# Altium PCB bogo_board.PcbDoc (part 1 of 2)
Units mm, origin at the board's own origin, x right, y up, seen from the top; angles counter-clockwise.
Board outline 100 x 100 mm, 2 copper layers (Top Layer, Bottom Layer); 192 components, 142 nets, 497 pads, 187 vias.
Unrouted connection lines stored in the file: 41.
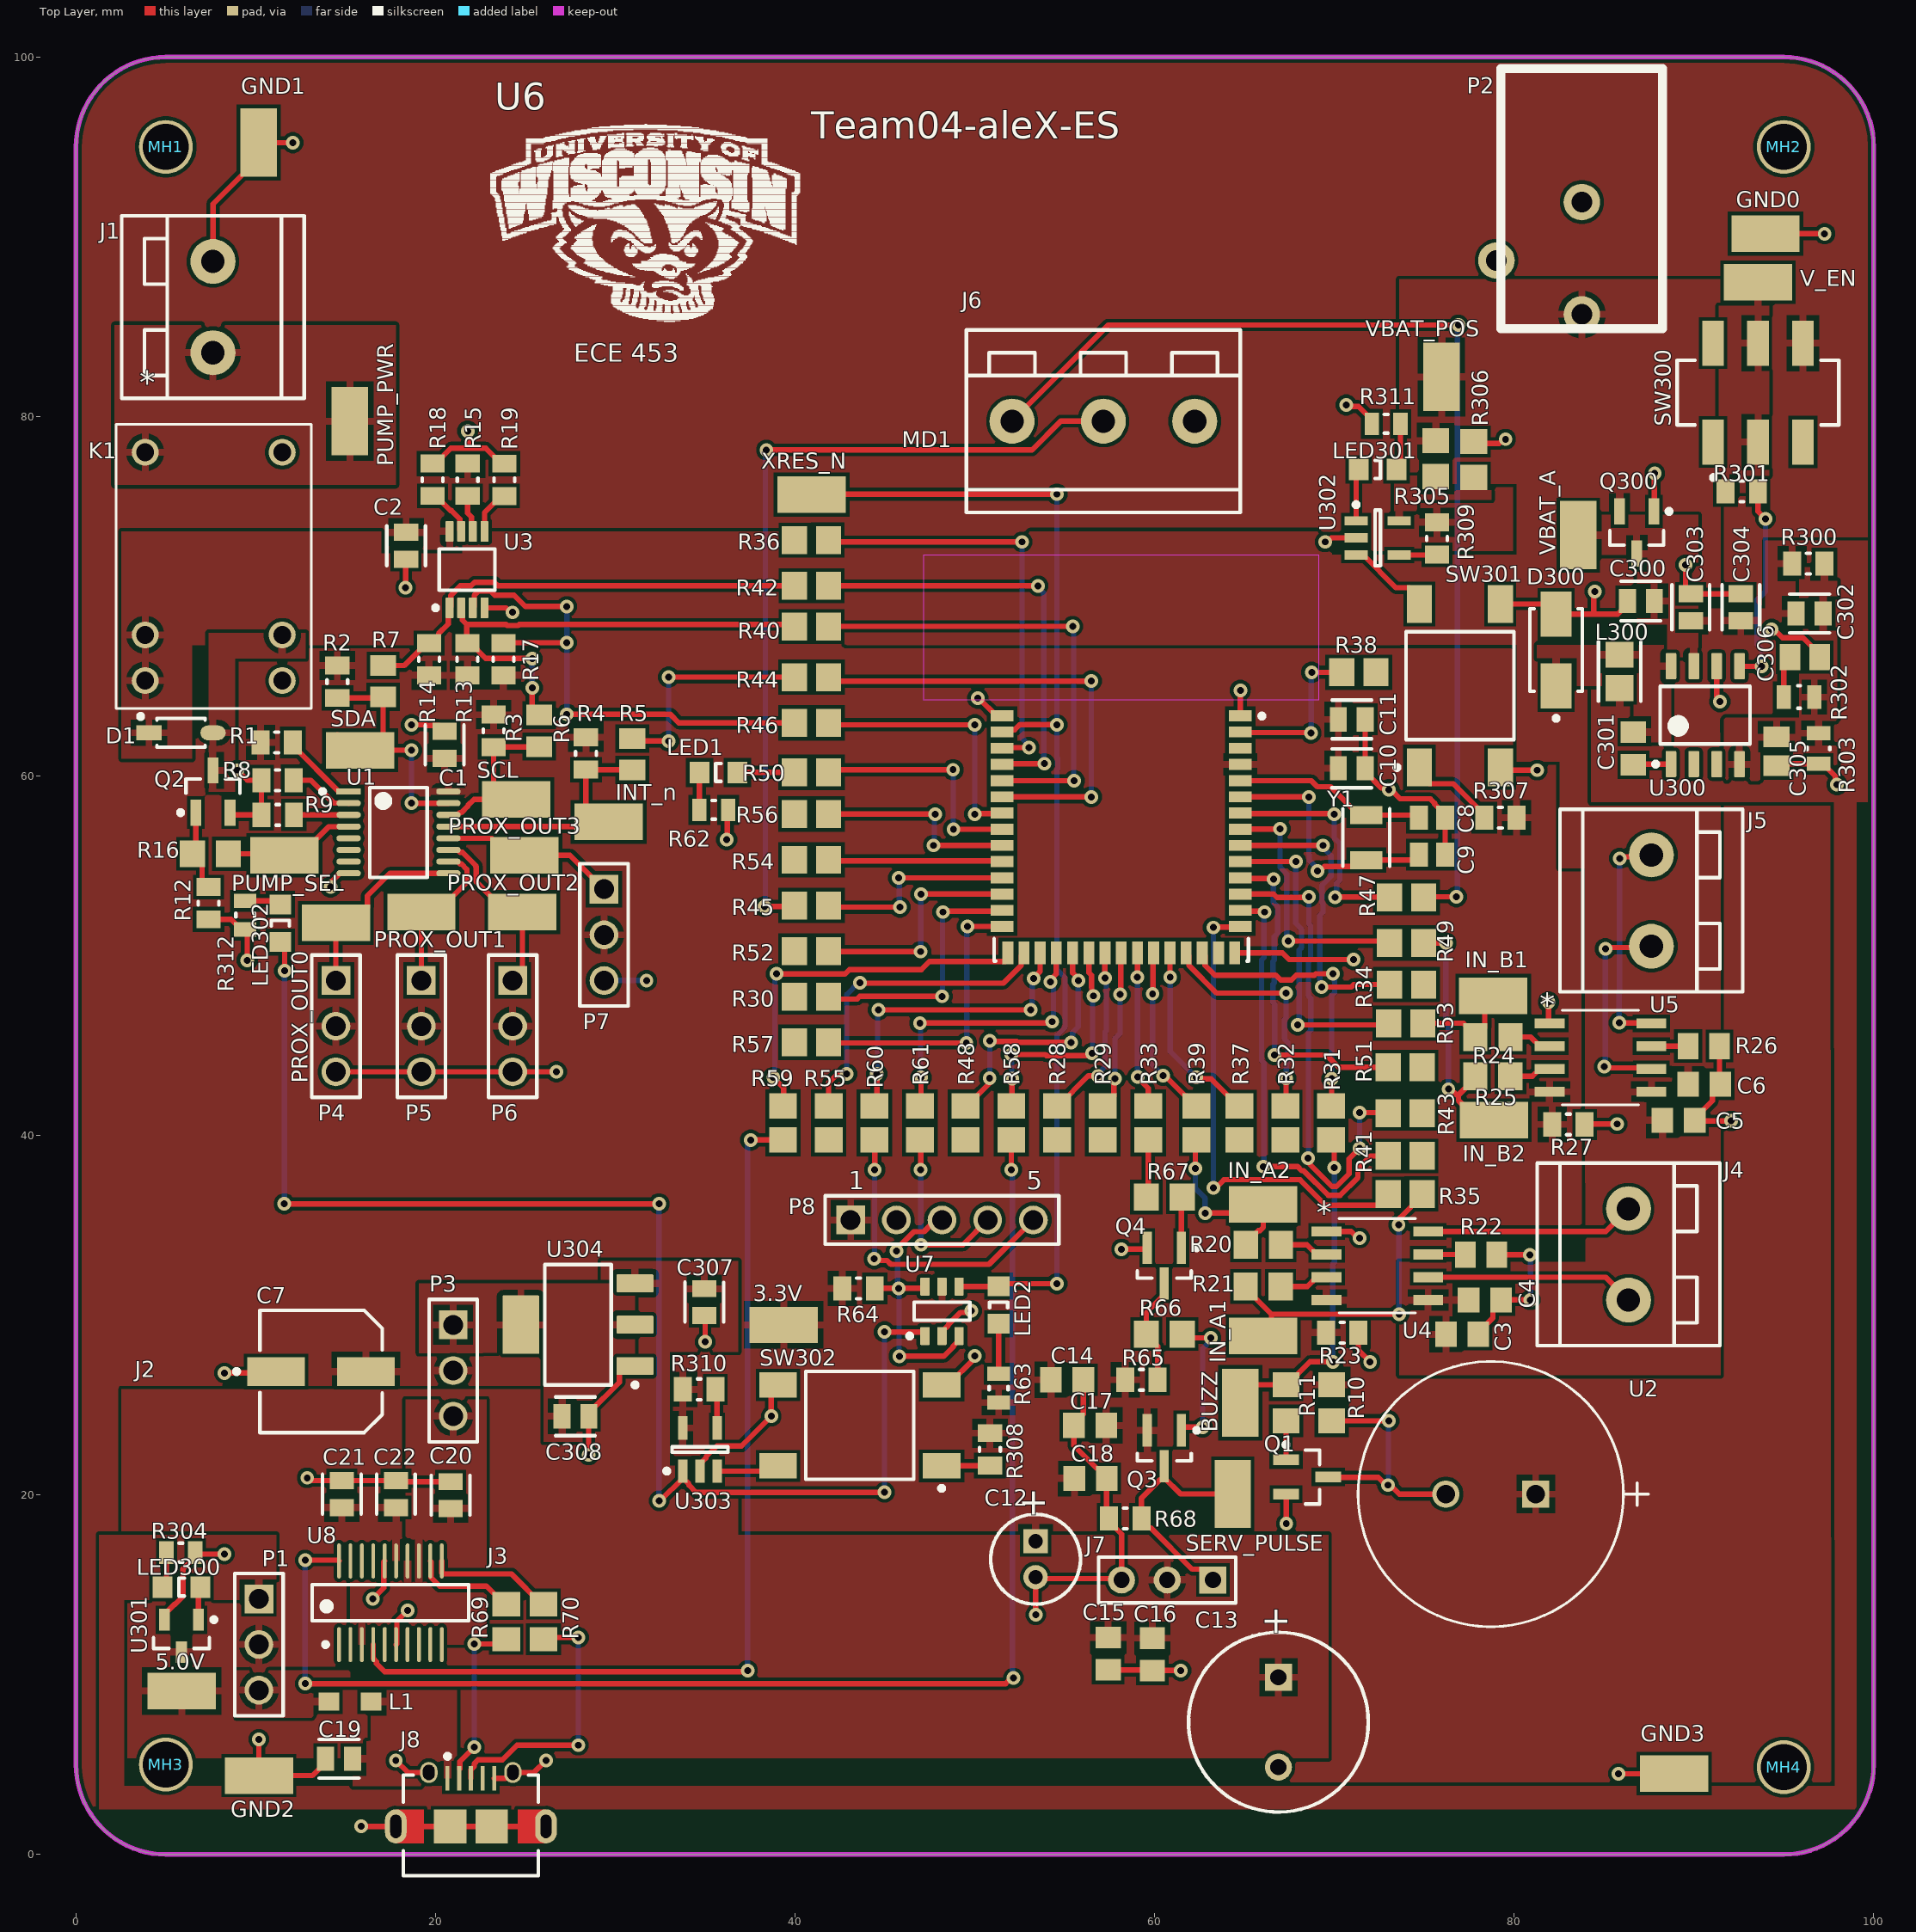
[diagram p0: Top Layer view]
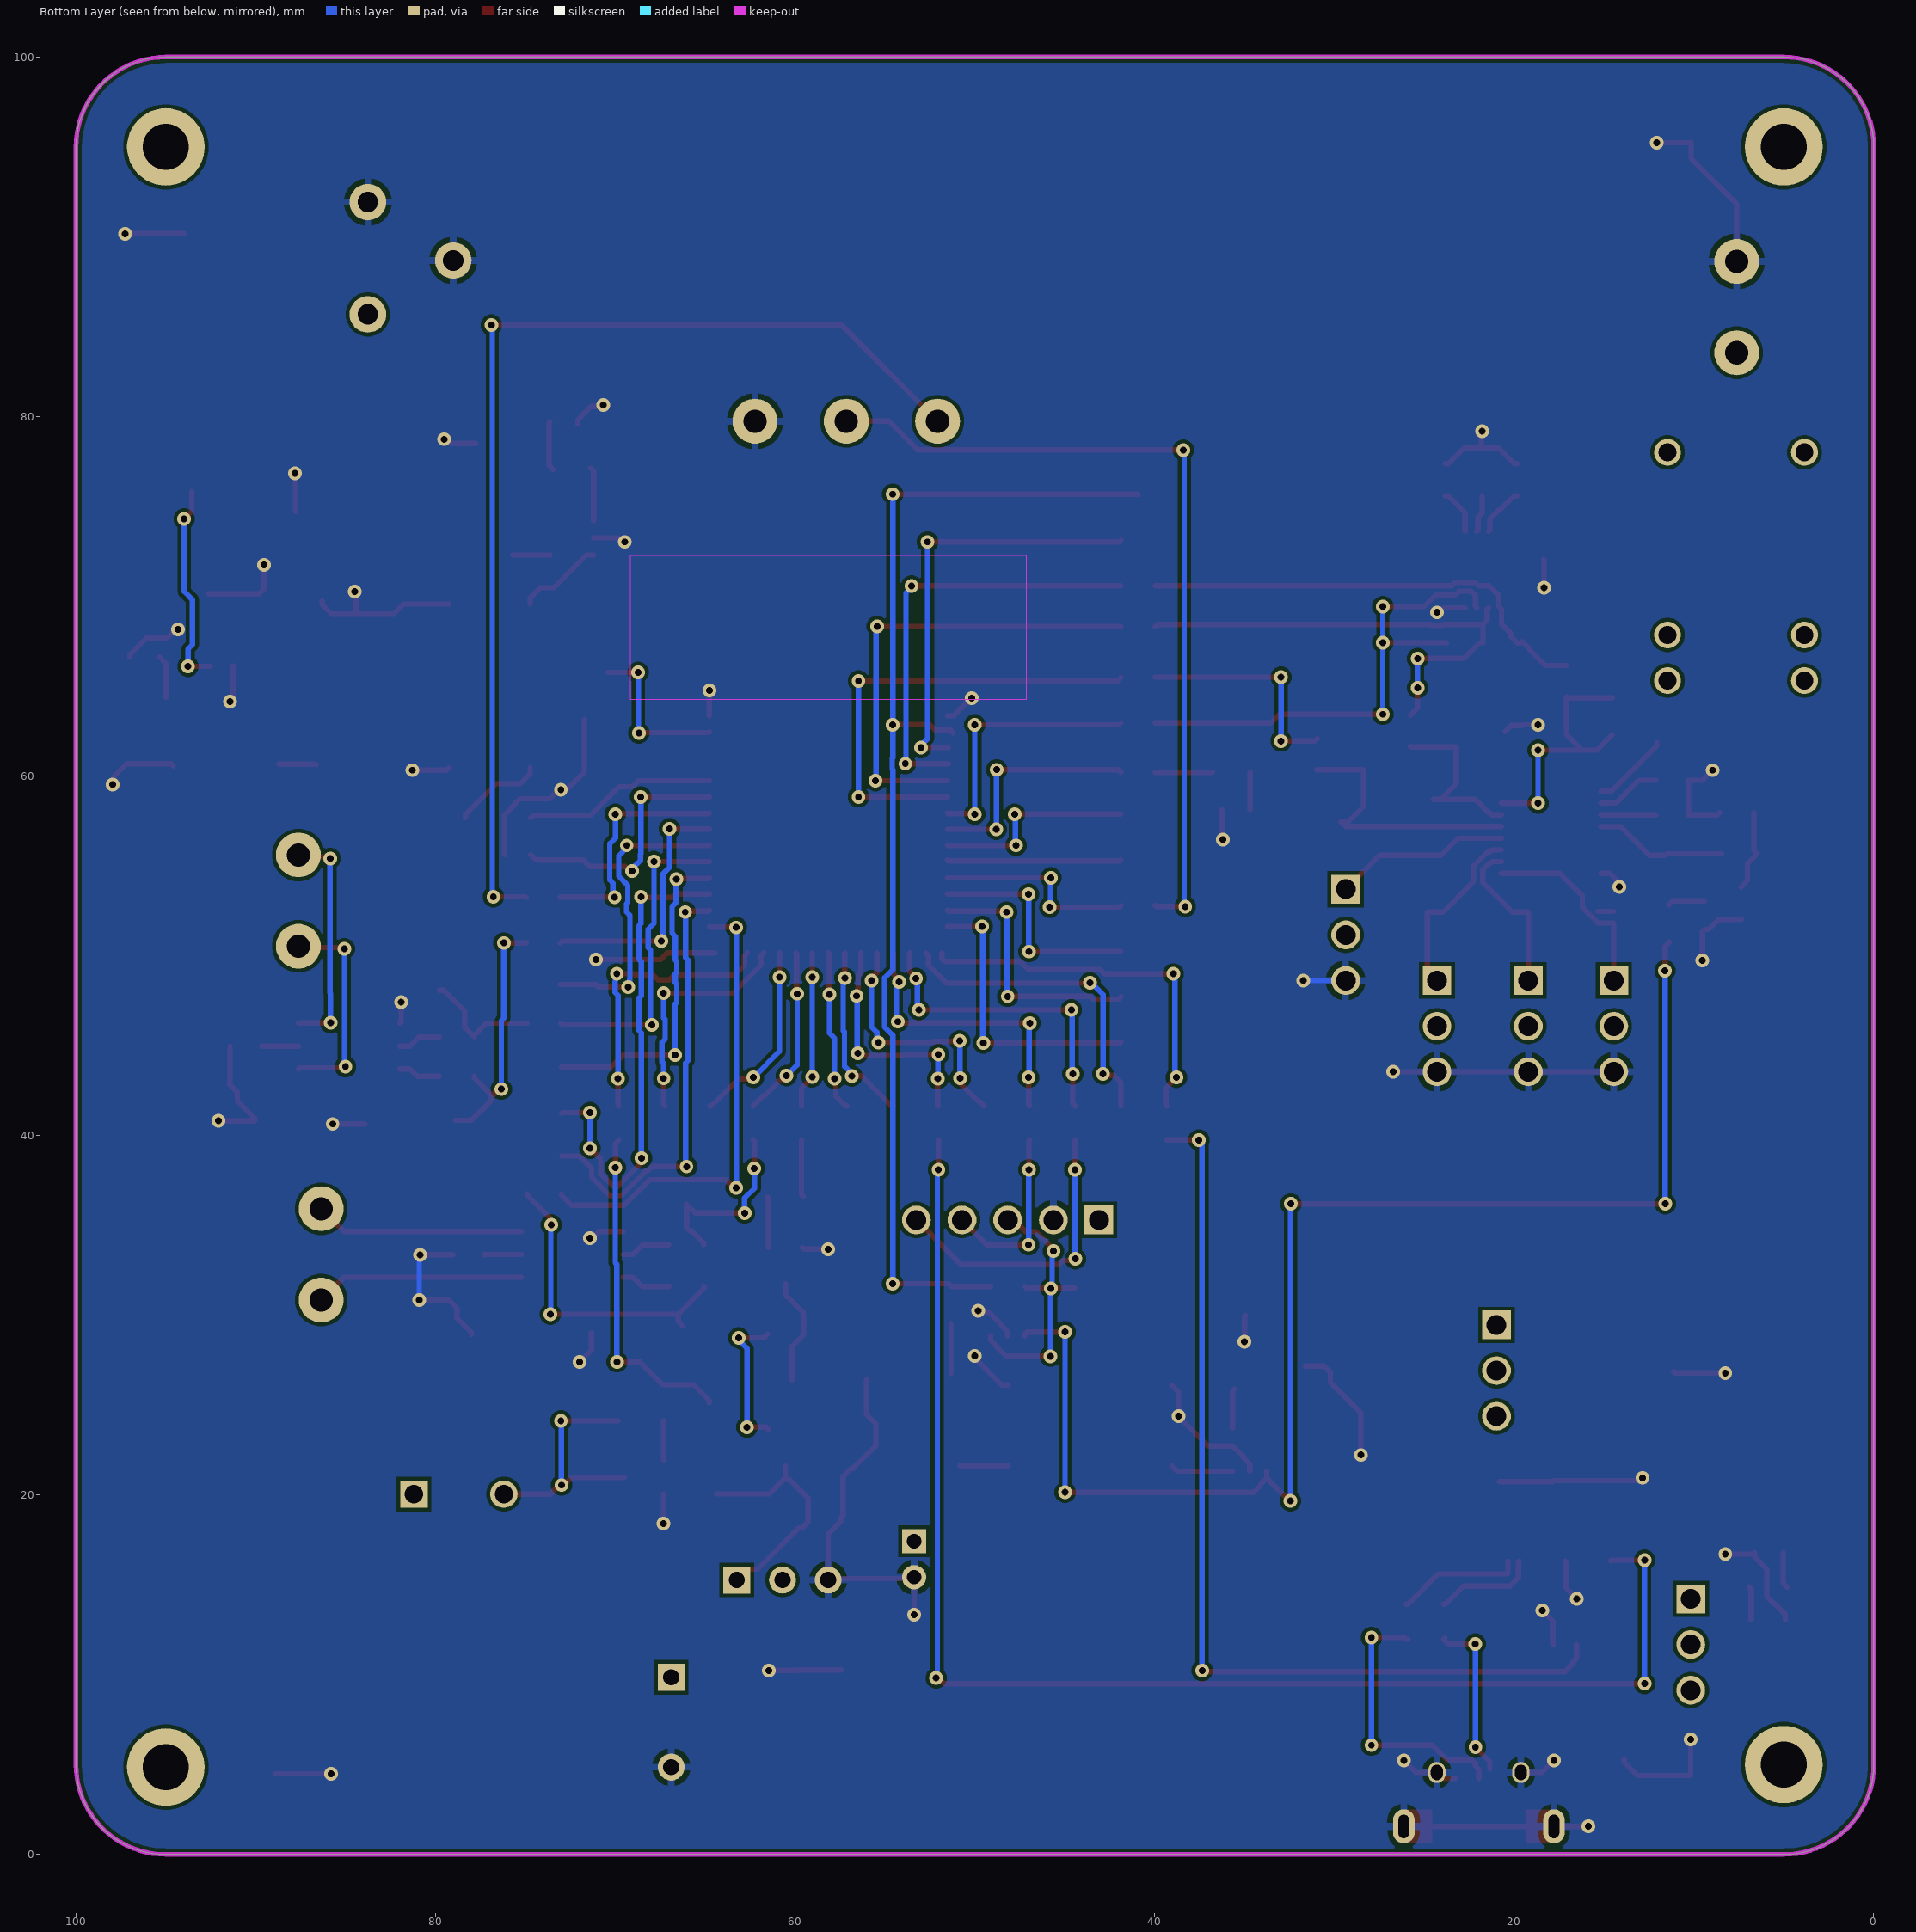
[diagram p1: Bottom Layer view, seen from below]
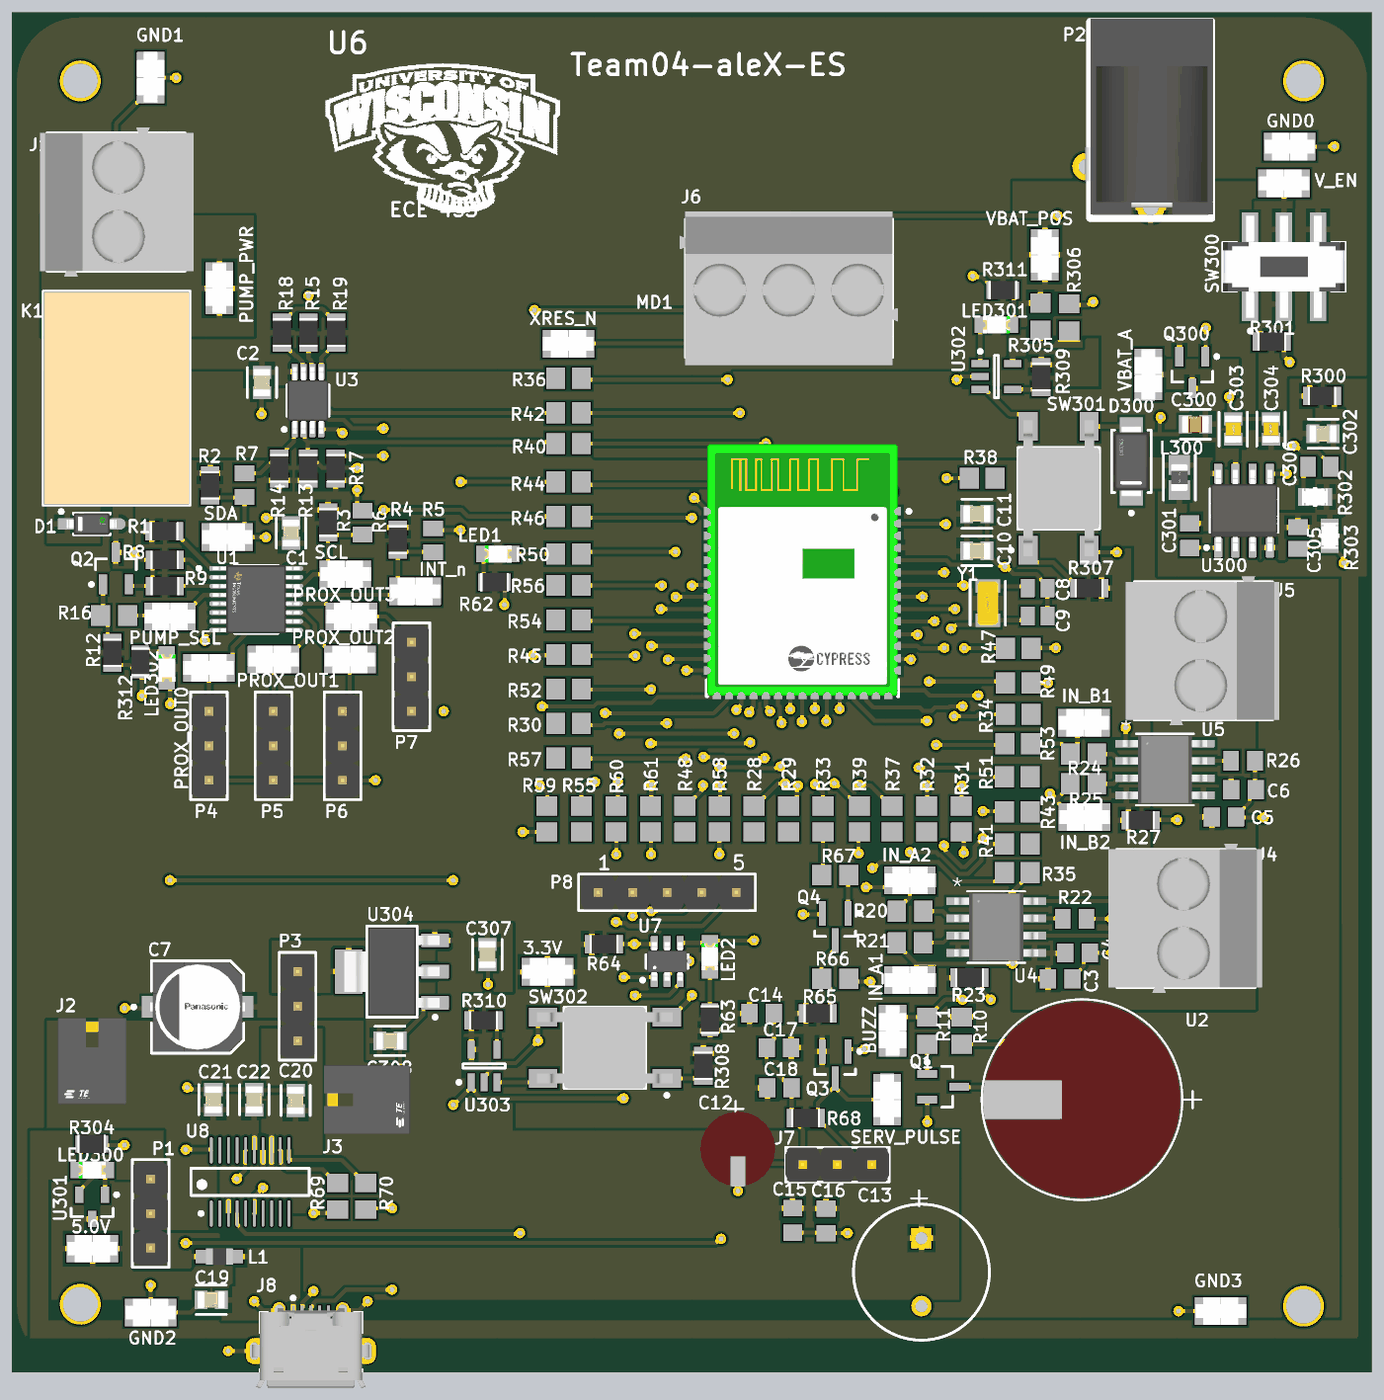
[diagram p3: 3D render of the assembled board from above, using the file's embedded part models]

## Layer stack, top to bottom
Top Solder: solder mask 0.0102, Solder Resist, Dk 3.5
Top Layer: signal copper 0.0356
Dielectric1: dielectric 0.32, FR-4, Dk 4.8
Bottom Layer: signal copper 0.0356
Bottom Solder: solder mask 0.0102, Solder Resist, Dk 3.5

## Board outline
0,5 ccw(c5,5) 5,0 95,0 ccw(c95,5) 100,5 100,95 ccw(c95,95) 95,100 5,100 ccw(c5,95) 0,95

## Design rules (kind name [scope] priority, off if disabled: settings)
Clearance Polygon_Clearance [All vs InPolygon] p1: gap=0.2 ignorepadtopadclearanceinfootprint=FALSE
Clearance [All] p2: gap=0.2 ignorepadtopadclearanceinfootprint=TRUE
ComponentClearance [InComponent('U3')] p1: gap=0 collisioncheckmode=3 verticalgap=0.254 showdistances=FALSE
Height [All] p1: minheight=0 maxheight=75 prefheight=12.7
HoleSize [All] p1: absolutevalues=TRUE maxlimit=6.35 minlimit=0.3 maxpercent=80.000 minpercent=20.000
MinimumAnnularRing [All] p1: minimumring=0.15
MinimumSolderMaskSliver [All] p1: minsoldermaskwidth=0.22
NetAntennae NetAntennae_5.0V [InNet('5.0V')] p1: netantennaetolerance=0
NetAntennae NetAntennae_3.3V [InNet('3.3V')] p2: netantennaetolerance=0
PlaneClearance [All] p1: clearance=0.3
PlaneConnect [All] p1: planeconnectstyle=Relief reliefexpansion=0.3 reliefentries=4 reliefconductorwidth=0.3 reliefairgap=0.3
PolygonConnect ViaConnect [All vs IsVia] p1: connectstyle=Direct reliefconductorwidth=0.381 reliefentries=4 polygonreliefangle="90 Angle" airgapwidth=0.254
PolygonConnect [All] p2: connectstyle=Relief reliefconductorwidth=0.4 reliefentries=4 polygonreliefangle="90 Angle" airgapwidth=0.3
RoutingVias [All] p1: holewidth=0.3 width=0.6 viastyle="Through Hole" minholewidth=0.3 minwidth=0.6 maxholewidth=5 maxwidth=10
SilkToSilkClearance [All] p1: silktosilkclearance=0
SilkToSolderMaskClearance [IsPad] p1: minsilkscreentomaskgap=0 clearancetoexposedcopper=TRUE
SolderMaskExpansion [All] p1: expansion=0.102 istentingtop=FALSE
UnConnectedPin [All] p1 off:
Width [All] p1: maxlimit=10 minlimit=0.2 preferedwidth=0.6
21 further rules are at their usual default settings.

## Classes and differential pairs
component class 09_USB_Bridge: C19 C20 C21 C22 J8 L1 R69 R70 U8
component class 08_Programming_Reset: LED1 LED2 P8 R62 R63 R64 U7
component class 07_MCU: C8 C9 C10 C11 MD1 R28 R29 R30 R31 R32 R33 R34 R35 R36 R37 R38 R39 R40 R41 R42 R43 R44 R45 R46 R47 R48 R49 R50 R51 R52 R53 R54 R55 R56 R57 R58 R59 R60 R61 XRES_N Y1
component class 06_Servo_Motor_ICs: C12 C13 C14 C15 C16 C17 C18 J7 Q3 Q4 R65 R66 R67 R68 SERV_PULSE
component class 05_Buzz_Pump_LED_Temp_ICs: BUZZ C1 C2 D1 INT_n J1 K1 PROX_OUT0 PROX_OUT1 PROX_OUT2 PROX_OUT3 PUMP_PWR PUMP_SEL Q1 Q2 R1 R2 R3 R4 R5 R6 R7 R8 R9 R10 R11 R12 R13 R14 R15 R16 R17 R18 R19 SCL SDA U1 U2 U3
component class 04_Brushed_Motor_ICs: C3 C4 C5 C6 IN_A1 IN_A2 IN_B1 IN_B2 R20 R21 R22 R23 R24 R25 R26 R27 U4 U5
component class 02_Connectors: C7 J2 J3 J4 J5 J6 P1 P2 P3 P4 P5 P6 P7
component class 10_Mechanical: MH1 MH2 MH3 MH4 U6

## Components (designator, comment, footprint, x,y, rotation, side; value= is the part's Value field where it differs from the comment)
3.3V "5019" KSTN-5019_V 39.37,29.46 r0 top
5.0V "5019" KSTN-5019_V 5.888,9.098 r180 top
BUZZ "5019" KSTN-5019_V 64.77,25.13 r270 top
C1 "C0805C104K5RACTU" FP-C0805C-DN-MFG 20.504,61.733 r90 top value=100nF
C2 "C0805C104K5RACTU" FP-C0805C-DN-MFG 18.362,72.808 r270 top value=100nF
C3 "C0805C104K5RACTU" CAP_0805 77.1,28.94 r0 top value=100nF
C4 "C0805C106K8PACTU" CAP_0805 78.367,30.845 r0 top value=10uF
C5 "C0805C104K5RACTU" CAP_0805 89.147,40.847 r0 top value=100nF
C6 "C0805C106K8PACTU" CAP_0805 90.576,42.858 r0 top value=10uF
C7 "EEE-1EA101XP" FP-SD8-MFG 13.633,26.871 r0 top value=100uF
C8 "08055A6R0CAT2A" CAPC2013X94X50LL20T25 75.432,57.678 r180 top value=6pF
C9 "08055A6R0CAT2A" CAPC2013X94X50LL20T25 75.432,55.63 r180 top value=6pF
C10 "C0805C106K8PACTU" FP-C0805C-DG-MFG 70.967,60.428 r0 top value=10uF
C11 "C0805C104K5RACTU" FP-C0805C-DN-MFG 70.967,63.15 r0 top value=100nF
C12 "220uF" CAPPR2-5x11 53.379,16.426 r270 top
C13 "470uF" CAPPR5-10x12.5 66.887,7.36 r270 top
C14 "1uF" CAP_0805 55.137,26.41 r180 top
C15 "1uF" CAP_0805 57.417,11.17 r90 top
C16 "0.1uF" CAP_0805 59.871,11.135 r90 top
C17 "0.1uF" CAP_0805 56.407,23.87 r180 top
C18 "0.1uF" CAP_0805 56.433,20.924 r180 top
C19 "C0805C104K5RACTU" FP-C0805C-DN-MFG 14.632,5.33 r180 top value=100nF
C20 "C0805C104K5RACTU" FP-C0805C-DN-MFG 20.84,19.993 r90 top value=100nF
C21 "C0805C104K5RACTU" FP-C0805C-DN-MFG 14.79,20.05 r90 top value=100nF
C22 "C0805C104K5RACTU" FP-C0805C-DN-MFG 17.796,20.05 r90 top value=100nF
C300 "C0805C475K3PACTU" FP-C0805C475K3PACTU-MFG 87.047,69.738 r180 top value=4.7uF
C301 "10nF" CAP_0805 86.63,61.533 r90 top
C302 "C0805C272K5RACTU" FP-C0805C-DN-MFG 96.435,69.044 r0 top value="2,700 pF"
C303 "C0805C476M9PACTU" FP-C0805C476M9PACTU-MFG 89.826,69.385 r90 top value=47uF
C304 "C0805C476M9PACTU" FP-C0805C476M9PACTU-MFG 92.608,69.385 r90 top value=47uF
C305 "C0805C151J1GACTU" CAPC2013X88X50NL20T25 94.597,61.369 r90 top value=150pF
C306 "08055C563KAT2A" CAPC2013X94X50NL20T25 96.166,66.612 r180 top value=56nF
C307 "C0805C106K8PACTU" FP-C0805C-DG-MFG 34.952,30.73 r270 top value=10uF
C308 "C0805C106K8PACTU" FP-C0805C-DG-MFG 27.782,24.38 r0 top value=10uF
D1 "SM5817PL-TP" On_Semiconductor_425-04_IPC_A 5.843,62.404 r0 top
D300 "B340A-13-F" FP-SMA-MFG 82.332,67.009 r90 top
GND0 "5019" KSTN-5019_V 93.98,90.17 r180 top
GND1 "5019" KSTN-5019_V 10.16,95.25 r90 top
GND2 "5019" KSTN-5019_V 10.176,4.39 r180 top
GND3 "5019" KSTN-5019_V 88.9,4.493 r180 top
IN_A1 "5019" KSTN-5019_V 66.04,28.845 r180 top
IN_A2 "5019" KSTN-5019_V 66.04,36.176 r180 top
IN_B1 "5019" KSTN-5019_V 78.839,47.767 r180 top
IN_B2 "5019" KSTN-5019_V 78.884,40.849 r0 top
INT_n "5019" KSTN-5019_V 29.636,57.445 r180 top
J1 "Pump Power" PHOENIX2X0.2 7.62,86.09 r270 top
J2 "382811-8" FP-382811-8-MFG 5.867,22.86 r180 top
J3 "382811-8" FP-382811-8-MFG 26.112,20.05 r270 top
J4 "MotorA" PHOENIX2X0.2 86.36,33.385 r90 top
J5 "MotorB" PHOENIX2X0.2 87.63,53.07 r90 top
J6 "Servo" PHOENIX3X0.2 57.15,79.74 r180 top
J7 "Servo Drive" 3X1HDR 60.7,15.269 r180 top
J8 "47589-0001" MOLX-47589-0001_V 21.966,3.063 r0 top
K1 "J1021AS512VDC.45" RELAY6_J102_CRS 3.852,78.01 r0 top
L1 "742792093" SMD-0805 15.237,8.507 r180 top value=3.9nH
L300 "LB2012T680K" FP-LB2012-1_25-0_2-IPC_A 85.865,65.819 r270 top
LED1 "150080GS75000" 0805_A 35.737,60.2 r0 top
LED2 "150080RS75000" 0805_A 51.324,30.57 r270 top
LED300 "150080GS75000" 0805_A 5.873,14.878 r0 top
LED301 "150080GS75000" 0805_A 72.409,77.058 r180 top
LED302 "150080GS75000" 0805_A 11.372,51.81 r270 top
MD1 "CYBLE-416045-02" FP-CYBLE-416045-02-MFG 58.143,59.03 r0 top
MH1 "MHOLE_2_55MM" MHOLE_2_55MM 5,95 r0 top locked
MH2 "MHOLE_2_55MM" MHOLE_2_55MM 95,95 r0 top locked
MH3 "MHOLE_2_55MM" MHOLE_2_55MM 5,5 r0 top locked
MH4 "MHOLE_2_55MM" MHOLE_2_55MM 95,4.858 r0 top locked
P1 "61300311121" 61300311121 10.176,11.68 r270 top
P2 "PJ-102" PJ-102 83.764,85.682 r0 top value=CP-102AD
P3 "61300311121" 61300311121 20.982,26.92 r270 top
P4 "61300311121" 61300311121 14.458,46.083 r270 top
P5 "61300311121" 61300311121 19.212,46.083 r270 top
P6 "61300311121" 61300311121 24.292,46.083 r270 top
P7 "61300311121" 61300311121 29.372,51.163 r270 top
P8 "61300511121" 61300511121 48.174,35.3 r0 top
PROX_OUT0 "5019" KSTN-5019_V 14.458,51.825 r0 top
PROX_OUT1 "5019" KSTN-5019_V 19.212,52.433 r0 top
PROX_OUT2 "5019" KSTN-5019_V 24.833,52.433 r0 top
PROX_OUT3 "5019" KSTN-5019_V 24.948,55.593 r0 top
PUMP_PWR "5019" KSTN-5019_V 15.24,79.74 r90 top
PUMP_SEL "5019" KSTN-5019_V 11.592,55.593 r0 top
Q1 "2N3904" SOT-23_M 68.485,21 r0 top
Q2 "2N3904" SOT-23_M 7.62,59.138 r90 top
Q3 "2N3906" SOT23-3M 60.537,22.6 r270 top
Q4 "2N3904" SOT23-3M 60.537,32.76 r270 top
Q300 "SSM3J328R,LF" SOT-23_M 86.815,73.548 r270 top
R1 "RC0805FR-0710KL" RESC2013X60X35NL10T20 11.166,61.863 r180 top value=10kR
R2 "RC0805FR-0710KL" RESC2013X60X35NL10T20 14.54,65.244 r90 top value=10kR
R3 "RC0805FR-0710KL" RESC2013X60X35NL10T20 23.227,62.514 r90 top value=10kR
R4 "RC0805FR-0710KL" RESC2013X60X35NL10T20 28.366,61.253 r90 top value=10kR
R5 "ERJ-6GEY0R00V" RESC2013X70X40NL20T20 30.949,61.203 r270 top value=0R
R6 "ERJ-6GEY0R00V" RESC2013X70X40NL20T20 25.767,62.514 r270 top value=0R
R7 "ERJ-6GEY0R00V" RESC2013X70X40NL20T20 17.08,65.269 r270 top value=0R
R8 "RC0805FR-0710KL" RESC2013X60X35NL10T20 11.212,59.766 r0 top value=10kR
R9 "RC0805FR-0710KL" RESC2013X60X35NL10T20 11.222,57.838 r0 top value=10kR
R10 "10K" RES_0805 69.85,25.13 r90 top value=1K
R11 "10K" RES_0805 67.31,25.13 r270 top value=1K
R12 "RC0805FR-0710KL" RESC2013X60X35NL10T20 7.37,52.924 r90 top value=10kR
R13 "RC0805FR-0710KL" RESC2013X60X35NL10T20 21.768,66.496 r270 top value=10kR
R14 "RC0805FR-0710KL" RESC2013X60X35NL10T20 19.642,66.496 r270 top value=10kR
R15 "RC0805FR-0710KL" RESC2013X60X35NL10T20 21.782,76.483 r90 top value=10kR
R16 "10K" RES_0805 7.477,55.672 r180 top value=1K
R17 "RC0805FR-0710KL" RESC2013X60X35NL10T20 23.777,66.496 r270 top value=10kR
R18 "RC0805FR-0710KL" RESC2013X60X35NL10T20 19.832,76.483 r270 top value=10kR
R19 "RC0805FR-0710KL" RESC2013X60X35NL10T20 23.826,76.48 r270 top value=10kR
R20 "10K" RESC2013X70X40ML20T20 66.052,33.92 r180 top value=1K
R21 "10K" RESC2013X70X40ML20T20 66.033,31.599 r180 top value=1K
R22 "ERJ-6GEY0R00V" RESC2013X70X40NL20T20 78.155,33.367 r180 top value=0R
R23 "RC0805FR-0710KL" RESC2013X60X35NL10T20 70.429,29.029 r180 top value=10kR
R24 "10K" RESC2013X70X40ML20T20 78.817,45.479 r180 top value=1K
R25 "10K" RESC2013X70X40ML20T20 78.814,43.29 r180 top value=1K
R26 "ERJ-6GEY0R00V" RESC2013X70X40NL20T20 90.551,44.974 r180 top value=0R
R27 "RC0805FR-0710KL" RESC2013X60X35NL10T20 83.018,40.613 r180 top value=10kR
R28 "ERA6AEB101V" RESC2013X60X40ML20T25 54.567,40.7 r270 top value=100R
R29 "ERA6AEB101V" RESC2013X60X40ML20T25 57.107,40.7 r270 top value=100R
R30 "ERA6AEB101V" RESC2013X60X40ML20T25 40.917,47.72 r180 top value=100R
R31 "ERA6AEB101V" RESC2013X60X40ML20T25 69.807,40.7 r270 top value=100R
R32 "ERA6AEB101V" RESC2013X60X40ML20T25 67.267,40.7 r270 top value=100R
R33 "ERA6AEB101V" RESC2013X60X40ML20T25 59.647,40.7 r270 top value=100R
R34 "ERA6AEB101V" RESC2013X60X40ML20T25 74.013,48.398 r0 top value=100R
R35 "ERA6AEB101V" RESC2013X60X40ML20T25 73.937,36.741 r0 top value=100R
R36 "ERA6AEB101V" RESC2013X60X40ML20T25 40.917,73.12 r0 top value=100R
R37 "ERA6AEB101V" RESC2013X60X40ML20T25 64.727,40.7 r270 top value=100R
R38 "ERA6AEB101V" RESC2013X60X40ML20T25 71.359,65.77 r180 top value=100R
R39 "ERA6AEB101V" RESC2013X60X40ML20T25 62.33,40.7 r270 top value=100R
R40 "ERA6AEB101V" RESC2013X60X40ML20T25 40.917,68.31 r0 top value=100R
R41 "ERA6AEB101V" RESC2013X60X40ML20T25 73.937,38.862 r0 top value=100R
R42 "ERA6AEB101V" RESC2013X60X40ML20T25 40.917,70.58 r0 top value=100R
R43 "ERA6AEB101V" RESC2013X60X40ML20T25 73.937,41.231 r0 top value=100R
R44 "ERA6AEB101V" RESC2013X60X40ML20T25 40.917,65.5 r0 top value=100R
R45 "ERA6AEB101V" RESC2013X60X40ML20T25 40.917,52.8 r180 top value=100R
R46 "ERA6AEB101V" RESC2013X60X40ML20T25 40.917,62.96 r0 top value=100R
R47 "ERA6AEB101V" RESC2013X60X40ML20T25 74.013,53.251 r0 top value=100R
R48 "ERA6AEB101V" RESC2013X60X40ML20T25 49.487,40.7 r90 top value=100R
R49 "ERA6AEB101V" RESC2013X60X40ML20T25 74.013,50.711 r0 top value=100R
R50 "ERA6AEB101V" RESC2013X60X40ML20T25 40.917,60.2 r0 top value=100R
R51 "ERA6AEB101V" RESC2013X60X40ML20T25 73.937,43.796 r0 top value=100R
R52 "ERA6AEB101V" RESC2013X60X40ML20T25 40.917,50.26 r0 top value=100R
R53 "ERA6AEB101V" RESC2013X60X40ML20T25 73.971,46.244 r0 top value=100R
R54 "ERA6AEB101V" RESC2013X60X40ML20T25 40.917,55.34 r180 top value=100R
R55 "ERA6AEB101V" RESC2013X60X40ML20T25 41.867,40.7 r90 top value=100R
R56 "ERA6AEB101V" RESC2013X60X40ML20T25 40.917,57.88 r180 top value=100R
R57 "ERA6AEB101V" RESC2013X60X40ML20T25 40.917,45.18 r0 top value=100R
R58 "ERA6AEB101V" RESC2013X60X40ML20T25 52.027,40.7 r90 top value=100R
R59 "ERA6AEB101V" RESC2013X60X40ML20T25 39.327,40.7 r90 top value=100R